# Altium PCB Weather_Station_ETH_HERMETIC.PcbDoc (part 2 of 5) (continued)
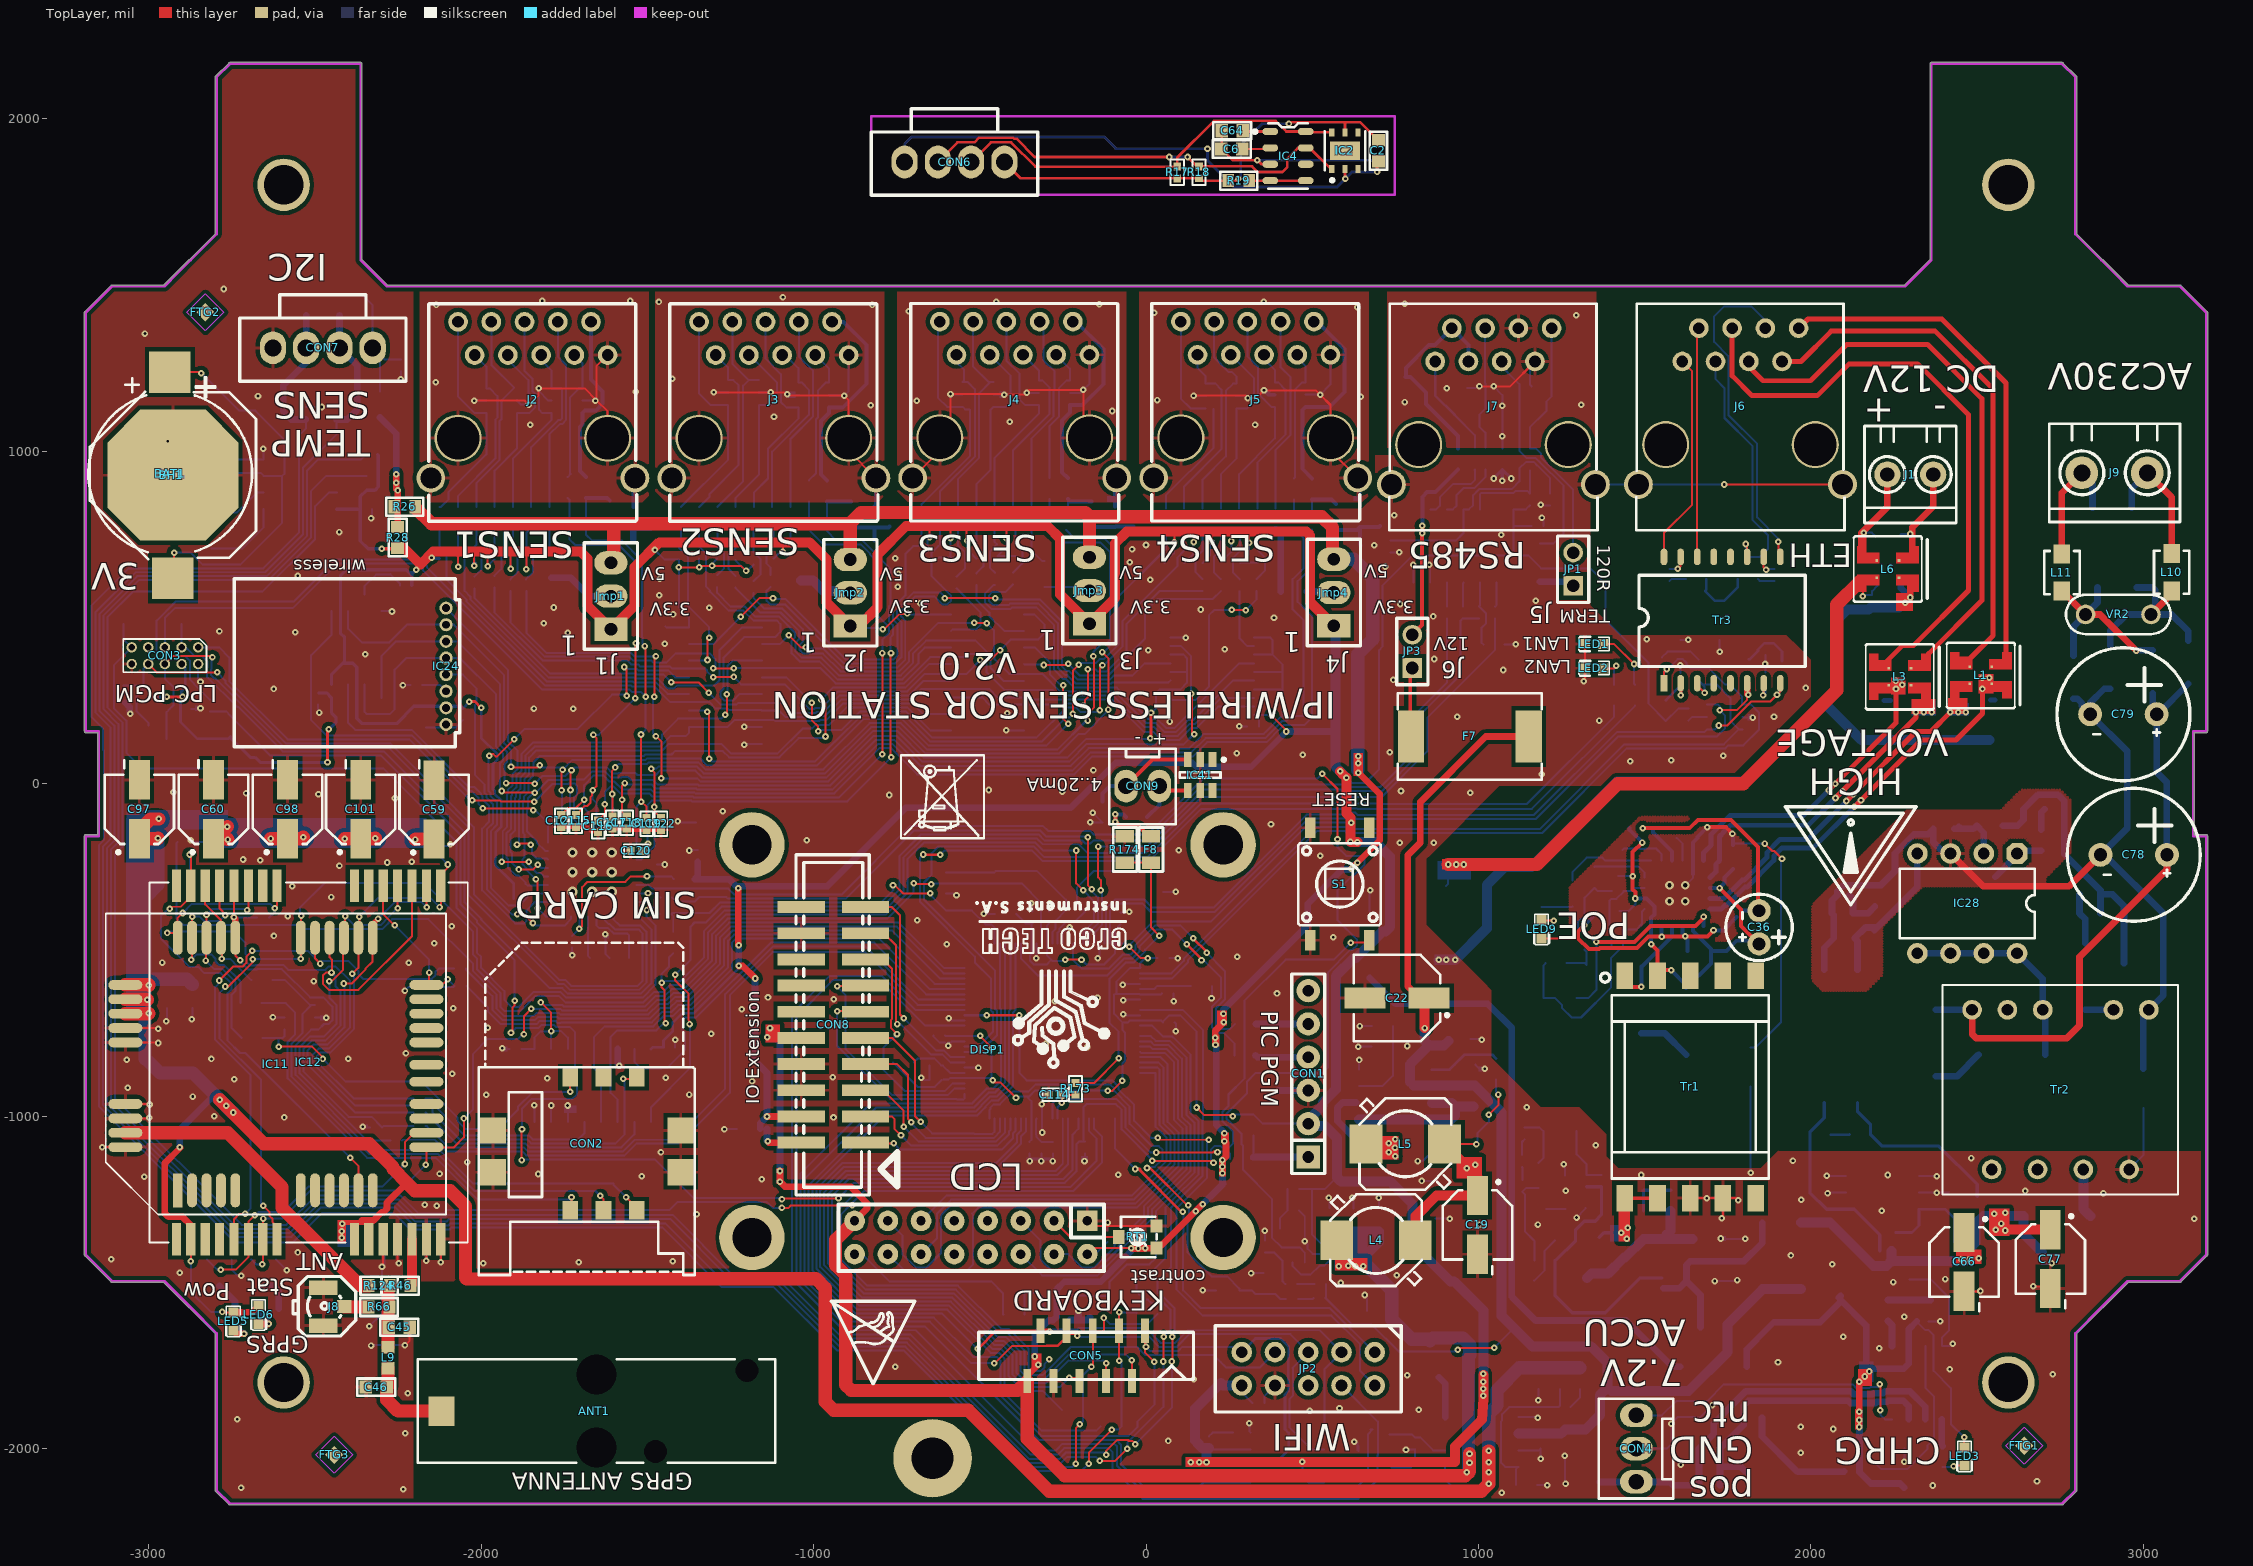
[diagram p0: TopLayer view]
## Nets (pads, with @x,y where several pads share a name; then routed paths per layer and width w, separated by ;. In a path a pad name is that pad's centre, name@x,y a point inside that pad or via, vN(x,y) a via of type N, cw(c..) or ccw(c..) an arc to the next point about the centre after c; other vN are vias at no path point) (continued)
  TopLayer w6: v1(-3139,-1094) -3138.31,-1093.31 IC11.40@-3070,-1093.31 ; IC11.38@-3070,-1006.69 -2999.69,-1006.69 v1(-2998,-1005) ; IC11.37@-3070,-963.39 -2998.86,-963.39 v1(-2997.24,-965) ; IC11.36@-3070,-778.35 -2972.65,-778.35 v1(-2971,-780) ; IC11.35@-3070,-735.04 -2972.96,-735.04 v1(-2971,-737) ; v1(-2298,-1453) -2294.49,-1449.49 IC12.26@-2294.49,-1370 ; IC12.27@-2251.18,-1370 -2251.18,-1439.82 v1(-2248,-1443) ; v1(-2229,-1689) -2215,-1675 C45.2@-2215,-1635 ; v1(-2165,-1435) -2164.57,-1434.57 IC12.29@-2164.57,-1370 ; IC12.30@-2121.26,-1370 -2121.26,-1439.74 v1(-2121,-1440) ; v1(-311.89,-1049.24) v1@-310.13,-1051 ; DISP1.1@-176.66,-1315.1 -161.69,-1330.07 RT1.3@24,-1330.07 ; v1(1317,308) 1320,311 LED2.K@1320,347 LED1.K@1320,420 ; Tr1.8@1636.82,-1246.65 v1(1687,-1246.65) Tr1.7@1735.24,-1246.65 ; v1(1732,-1307) 1735.24,-1303.76 Tr1.7@1735.24,-1246.65 ; v1(1739,900) J6.9a@2095,900 J6.9a@2093,902 ; v1(1781,-1253) 1774.65,-1246.65 Tr1.7@1735.24,-1246.65 ; C66.2@2461,-1527 2509,-1527 v1(2510,-1526) ; v1(2669,-1512) 2713.42,-1512 C77.2@2720,-1518.58
  TopLayer w12: C121.1@-1759,-129.72 C115.1@-1715,-129.72 -1682.2,-129.72 -1671.2,-140.72 -1648,-140.72 -1642,-134.72 C118.1@-1562,-134.72 -1558,-138.72 C119.1@-1502,-138.72 C122.1@-1459,-138.72
  TopLayer w20: v1(2299,560) 2299,594 2305,600
  BottomLayer w6: v1(-2947,-715) -2945,-713 C162.1@-2945,-675 ; v1(-2873,-170) -2868,-175 Q4.2@-2838,-175 ; C51.1@-2873.01,225 -2846,225 v1(-2844,227) ; v1(-2870,-709) -2868.23,-707.23 C164.1@-2868.23,-675 ; CON3.2@-2851,360 -2851,314 v1(-2844,307) ; Q8.2@-2750,-1431 -2750,-1462 -2732,-1480 v1(-2721,-1480) ; C18.2@-2735,878.5 -2754.89,898.39 -2754.89,950.93 -2749.62,956.2 -2747.92,956.2 C34.2@-2733.69,970.43 -2728.35,975.78 IC21.4@-2654.14,975.78 -2654.14,1006.14 v1(-2655,1007) ; v1(-2626,-702) -2625.4,-702.6 IC36.2@-2592,-702.6 ; Q3.2@-2617,-1431 -2585,-1463 -2585,-1464 v1(-2584,-1464) ; IC39.5@-2527.26,1133 v1(-2479,1133) IC39.2@-2434.74,1133 ; IC36.5@-2499.48,-702.6 -2467.4,-702.6 v1(-2466,-704) ; C53.2@-2490,238.28 -2490,217 v1(-2487,214) ; v1(-2356,-1032) -2354,-1034 R55.1@-2333.43,-1034 ; v1(-2336,-1632) -2298,-1594 v1(-2298,-1453) -2290,-1445 C163.1@-2290,-1340 ; v1(-2331,-1690) -2330,-1689 v1(-2229,-1689) ; v1(-2331,799) -2327.57,802.43 C17.2@-2327.57,826 ; IC16.4@-2300,519 -2269,519 v1(-2268,518) ; v1(-2242,1217) -2241,1218 C92.1@-2241,1240.79 ; v1(-2235,296) -2234.85,296.15 R163.1@-2212.72,296.15 ; v1(-2229,-623) -2217,-611 R56.1@-2155.72,-611 ; C83.2@-2165,169.65 -2076.5,169.65 C84.1@-2055,191.15 ; R57.1@-2120,-187.28 -2098.28,-187.28 v1(-2093,-182) ; v1(-1936,-796) -1934,-798 R154.1@-1914,-798 ; v1(-1840,-967) -1839,-968 IC40.8@-1839,-1018 ; IC40.7@-1789,-1018 v1(-1789,-968) ; v1(-1740,-968) -1739,-969 IC40.6@-1739,-1018 ; v1(-1726,-516) C41.2@-1726,-493.43 ; R175.2@-1629.36,769.33 R175.2@-1613,769.33 ; v1(-1626,-453) -1626,-511.94 CR2.2@-1613.94,-524 ; C49.2@-1471,-243.28 -1448.28,-243.28 v1(-1448,-243) ; C3.2@-1445,507.72 -1423.28,507.72 v1(-1422,509) ; C95.2@-1416,-793 v1(-1416,-770) ; v1(-1409,-113) -1405,-117 TP15.1@-1354,-117 ; v1(-1374,-201) -1372.57,-199.57 C107.2@-1348,-199.57 ; v1(-1268,-1039) -1267,-1038 C28.2@-1230.87,-1038 ; v1(-1209,171) -1208,170 IC6.7@-1155,170 ; v1(-1208,117) -1205,120 IC6.8@-1155,120 ; R176.2@-894.36,769.33 R176.2@-888,769.33 ; FB23.2@-824.33,769.33 FB23.2@-821.25,766.25 ; v1(-679,543) -678.09,542.09 C37.2@-656.26,542.09 ; v1(-676,-884) -669,-891 C10.2@-650.72,-891 -651.72,-890 C29.1@-651.72,-848 ; C8.1@-639.39,-757.6 -639.39,-759.31 -619.89,-778.81 -604.19,-778.81 v1(-595,-788) ; C39.1@-601,-330.5 -574.5,-330.5 v1(-570,-335) ; v1@-595,-778.81 -588.02,-778.81 -584.53,-775.32 IC1.36@-545.69,-775.32 ; v1(-593,-705) -585.67,-712.33 IC1.40@-545.69,-712.33 ; IC1.31@-545.69,-854.06 -504.06,-854.06 v1(-504,-854) ; v1(-488,-391) -487,-392 C27.2@-453.5,-392 ; v1(-420,161) -418.37,159.37 IC8.8@-366.26,159.37 ; v1(-417,212) -414.37,209.37 IC8.7@-366.26,209.37 ; C104.2@-351,-1112.72 -351,-1134 v1(-350,-1135) ; v1(-345,-360) -341.67,-363.33 C35.2@-341.67,-384.89 ; v1(-330,-525) -329.15,-524.15 IC1.60@-329.15,-480.04 ; v1(-315,-1135) C32.1@-315,-1112.72 ; v1(-314,-964) -313.4,-964.6 IC1.15@-313.4,-1007.6 -313.4,-1047.72 v1(-311.89,-1049.24) ; C102.2@-291.67,-384.89 -291.67,-361.67 v1(-290,-360) ; v1(-280,-1135) -279,-1134 C4.1@-279,-1112.72 ; IC1.65@-250.41,-480.04 -250.41,-449.6 -242.33,-441.52 -241.52,-441.52 -232.53,-432.53 v1(-230,-432.53) ; v1(-185,-1135) -184,-1134 C33.2@-184,-1112.43 ; R177.2@-180,775.87 -112.87,775.87 ; v1(-167.5,-116.5) FB47.2@-131,-116.5 v1(-160,-87.5) ; v1(-145,-525) -140.17,-520.17 IC1.72@-140.17,-480.04 ; C94.1@-116,-1343.28 -116,-1321 v1(-115,-1320) ; C38.2@-76.67,-387.6 -52.6,-387.6 v1(-50,-385) ; v1(-70,-605) -65,-600 -60,-600 -57.91,-602.09 IC1.79@-18.13,-602.09 ; v1(-69,-651) -67.33,-649.33 IC1.82@-18.13,-649.33 ; v1(-68,-694) -65.42,-696.58 IC1.85@-18.13,-696.58 ; C40.1@51,-326.5 88.5,-326.5 v1(90,-325) ; C103.2@70.43,-525 v1(95,-525) ; v1(71,187) 73,189 IC7.1@73,206 ; IC7.10@73,440 119,440 v1(120,439) ; C9.2@83.43,-631 83.43,-653.43 v1(84,-654) ; C11.2@86.43,-718 90,-721.57 v1(90,-745) ; v1(171,-1524) C16.2@210.13,-1524 ; C100.2@189,-1963.28 200.28,-1952 IC19.4@261,-1952 ; v1(197,-645) 198.99,-643.01 R39.2@198.99,-608 ; v1(281,173) 282,172 C1.2@304.28,172 ; v1(311,-1924) 311,-1948 IC20.4@315,-1952 ; v1(316,-1473) 316.99,-1472.01 R9.1@354,-1472.01 ; C99.2@355.72,-1863 355.72,-1842.28 JP2.8@388,-1810 ; v1(357,-1345) 358,-1346 R151.1@358,-1374.79 ; R165.1@460.72,-1284 477.5,-1300.78 IC22.5@477.5,-1338 v1(477.5,-1376.5) 486,-1385 486,-1399.02 500.98,-1414 C93.1@522,-1414 ; v1(550,-1245) 552,-1247 C20.2@552,-1276.57 ; R178.2@555,765 R178.2@596,765 ; v1(620,-1245) 624,-1249 C24.2@624,-1278.13 ; v1(626,-1979) 639,-1992 C31.1@639,-2006.57 ; v1(639,-791) 677.5,-791 C30.1@678.5,-790 ; U3.4@640,-860 640,-832 v1(641,-831) ; v1(643,-729) C111.1@679.5,-729 ; v1(658,-1538) 665,-1545 IC3.1@665,-1586 ; D9.A@673,-383.61 673,-322 v1(675,-320) ; v1(700,-1245) 701,-1246 C25.2@701,-1276.57 ; R15.2@735,695.79 761.79,695.79 v1(762,696) ; C63.2@738,-2057.01 796.5,-2057.01 C112.2@797,-2056.5 809,-2044.5 R59.1@809,-2001.72 807.72,-2003 v1(782,-2003) ; v1(804,658) 805,657 IC15.7@805,605 ; v1(817,-1135) 832.9,-1135 864.9,-1103 D8.A@875.39,-1103 ; v1(830,-1195) C12.2@861.57,-1195 ; v1(852,659) 855,656 IC15.6@855,605 ; C26.2@871.43,-1308 913,-1308 v1(914,-1309) ; C15.2@975.43,-768 1008,-768 v1(1010,-770) ; R27.2@990.98,-845 1002.98,-857 v1(1019,-857) ; R103.1@1078.5,418 1111,418 v1(1112,419) ; IC27.3@1120,-2005 1181.43,-2005 C181.1@1187,-1999.43 v1(1187,-2030) ; IC27.1@1120,-1905 1176,-1905 v1(1178,-1907) ; R63.1@1175.5,-2110 v1(1207,-2110) ; v1(1180,-1855) C62.2@1180,-1820 ; v1(1187,839) 1188.72,837.28 R38.1@1215,837.28 ; v1(1191,800) 1195.43,795.57 C42.1@1195.43,775 ; v1(1257,-1145) 1260,-1148 IC5.3@1260,-1178 ; v1(1260,-2021) 1261,-2022 C109.2@1261,-2061.06 1261,-2105 v1(1262,-2106) ; v1(1295,-1305) 1321.5,-1278.5 R155.1@1321.5,-1276 ; J7.9a@1336.89,899.92 1336.97,900 J6.9b@1481.22,900 v1(1739,900) ; CON4.2@1475,-2000 1566.89,-2000 C91.2@1580,-1986.89 v1(1580,-1925) 1600,-1905 1650.21,-1905 D18.A@1652.21,-1907 1665,-1907 v1(1703,-1869) ; v1(1607,356) 1608,355 C75.1@1608,332.31 ; C73.1@1608,432.43 1630.43,432.43 v1(1631,433) ; v1(1711,-1496) C7.2@1744.11,-1496 1775,-1496 v1(1778,-1493) ; C65.2@1725,431.89 1725,398 v1(1726,397) ; v1(1729,-1368) 1731,-1370 C5.2@1762.11,-1370 1801.82,-1370 v1(1802.82,-1369) ; IC37.2@1794.15,201 1796.15,199 v1(1825,199) ; v1(1819,-1170) C56.2@1819,-911.11 ; C76.1@1863,335.03 1863,359 v1(1862,360) 1863,361 C74.1@1863,387.31 ; v1(2048,-1179) 2049,-1180 IC30.3@2105,-1180 ; v1(2050,-1232) 2052,-1230 IC30.2@2105,-1230 ; v1(2281,-2039) C88.1@2281,-2000 ; C105.2@2297,-1491.01 C90.2@2360,-1491.01 2416,-1547.01 2416,-1644 2394,-1666 IC38.4@2394,-1692 2420,-1692 v1(2427,-1685) ; IC30.7@2325,-1230 v1(2378,-1230) 2413.5,-1230 R148.2@2415,-1228.5 ; IC30.6@2325,-1180 2378,-1180 v1(2379,-1181) ; C89.2@2353.72,-1617 v1(2389,-1617) ; C96.2@2695,-1445.43 2721.57,-1445.43 v1(2724,-1443) ; Tr2.10@2957.24,-1160.31 3000,-1117.56 C87.2@3000,-975.06
  BottomLayer w10: v1(1045.5,918) FB44.1@1072,944.5 ; v1(1072,911) FB44.1@1072,944.5 ; v1(1098.5,918) FB44.1@1072,944.5
  BottomLayer w12: R176.2@-888,770.63 -817.13,770.63 FB23.2@-817,770.5 ; -817,731 FB23.2@-817,770.5 ; -772,773 -774.5,770.5 FB23.2@-817,770.5 ; R177.2@-164,770.63 -163.13,771.5 FB33.2@-93,771.5 -90.5,774 -37,774 ; R178.2@572,762.63 634.13,762.63 FB43.2@643,771.5 ; 645,717 643,719 FB43.2@643,771.5 ; 704,775 700.5,771.5 FB43.2@643,771.5
  BottomLayer w20: C52.1@-3070,243.5 -3057.5,231 -3057,231 -3057,212 v1(-3055,210) ; R175.2@-1613,772.63 -1545.13,772.63 FB13.2@-1542,769.5 ; IC40.14@-1589,-798 -1589,-843 v1(-1584,-848) ; -1542,736 FB13.2@-1542,769.5 ; -1491.5,769.5 FB13.2@-1542,769.5 ; Q2.2@-229.5,-1613 -203,-1613 ; v1(-203,-1585) -203,-1613 ; R134.1@-168,-1604.5 -176.5,-1613 -203,-1613 ; TP5.1@398,-922.69 CON1.3@488,-922.69 ; C23.2@2270.43,595 2270.43,588.57 v1(2299,560) v1@2283.5,544.5
  BottomLayer w30: v1(880,-530) v1(903,-530) v1(930,-530) 1025,-435 1025,-305 1080,-250 1160.12,-250 1416.4,6.28 1801.28,6.28 2038.5,243.5 ; v1(2284,544) 2279,544 2265,530 2180,530 2174,524 2110,524 2078,492 2078,283 2038.5,243.5 ; C141.1@2537.63,131.43 C143.2@2439.57,131.43 C14.2@2239.57,131.43 2151.57,131.43 2039.5,243.5 2038.5,243.5
  other v1: 1070,-2133 -2234,-2122 -2722,-2118 2367,-2111 2680,-2098 1608,-2048 1970,-2013 67,-1977 -2228,-1954 2067,-1941 1970,-1934 -2734,-1912 493,-1886 820,-1883 582,-1879 -2221,-1834 143,-1792.08 786,-1779 2727,-1776 2418,-1761 -754,-1754 1901,-1740 2206,-1698 2097,-1664 2281,-1603 586,-1501 2248,-1499 2404,-1490 754,-1479 -2906,-1471 2064,-1445 -1994,-1443 -1706,-1439 -1423,-1437 -3113,-1430 1940,-1419 -2552,-1410 1003,-1326 1179,-1326 3153,-1309 -1352,-1295 2213,-1285 -2133,-1269 -2170,-1267 1971,-1252 2880,-1232 2645,-1225 1263,-1224 -1156,-1190 -3013,-1182 -1517,-1181 1490,-1177 2231,-1177 -84,-1176 -1828,-1174 -2125,-1173 -2042,-1138 1946,-1134 2482,-1126 -1459,-1109 1353,-1087 -2592,-1004 -940,-1004 -2803,-1000 1145,-972.76 -2867,-941 -1985,-936 -1374,-935 -3063,-915 -1185,-895 -2743,-889 -1801,-886 -1445,-884 -942,-883 -2087,-872 -3066,-830 -2811,-828 -2400,-827 -2226,-811 -177,-792 786,-789 -302,-783 -1308,-752 -1980,-734 -1216,-678 -2084,-676 -274,-654 -939,-648 -145.82,-643.93 -1137,-643 394,-631 -2503,-594 -2218,-539 -2959,-538 274,-520 -599,-483 -2141,-480 563,-462 -2623,-458 -2088,-429 -688,-411 -2581,-399 -2451,-341 -2568,-308 -2426,-247 -2282,-237 -2208,-235 -2664,-230 -2716,-228 524,-217 98,-200 763,-178 866,-178 -1021,-170 376,-122 -1273,-83 -2259,-44 -772,-34 -2489,-32 -2707,-29 975,-27 -2926,-26 -252,-24 767,-22 -473,-19 1190,28 -158,40 1457,68 1580,70 1736,84 472,87 273,91 733,95 1363,190 936,201 1889,201 -1723,225 -1841,226 -2624,285 1985,288 744,312 1075,342 867,375 -2348,389 7,401 237,404 -1447,421 1506,434 -1739.36,454.33 -2559,455 -2787,458 -1811,483 385,499 864,503 165,524 -1314,529 -1781,530 765,540 1172,550 -1464,567 -747,592 13,614 -1462,616 -2551,626 -745,631 719,653 -49,666 -754,678 -42,705 686,717 0,718 1069,749 -2427,757 747,808 -2943,1030 -2671,1166 -3011,1354 -2774,1488
  other v2: -1725.06,-325.06 -1666,-325.06 -1606.94,-325.06 -1725.06,-266 -1666,-266 -1606.94,-266 -1725.06,-206.94 -1666,-206.94 -1606.94,-206.94
GND_SENS1: FB13.1 IC9.2 IC9.5 IC10.2 IC10.5 J2.10 J2.11 J2.11a J2.12 J2.12a | length 1139.2
  TopLayer w6: J2.12@-2151.25,919.25 J2.12@-2151.25,957.44 ; J2.11@-2069.36,1039.33 J2.11@-2021.01,1087.69 ; v1(-2021.01,1152.01) -1868.01,1152.01 v1(-1856,1140) -1827,1169 v1(-1827,1189) -1688,1189 v1@-1653,1154 ; J2.11a@-1619.36,1001.14 J2.11a@-1619.36,1039.33 -1619.36,1120.36 v1@-1653,1154 ; J2.10@-1619.36,1289.33 -1653,1255.69 v1@-1653,1154
  BottomLayer w6: v1(-2021.01,1152.01) IC10.2@-1984.44,1152.01 ; IC10.5@-1891.92,1152.01 -1879.92,1140 -1866,1140 ; v1(-1827,1189) -1827,1181.59 -1797.42,1152.01 IC9.2@-1787.59,1152.01 ; v1(-1656.01,1152.01) IC9.5@-1695.07,1152.01 -1654.99,1152.01 v1@-1653,1154
  BottomLayer w12: FB13.1@-1542,832.5 -1542,914.72 J2.12a@-1537.47,919.25
  other v1: -1852,1080 -1534.36,1179 -2136,1208 -2135,1440 -1816,1452 -1551,1453
GND_SENS2: FB23.1 IC13.2 IC13.5 IC17.2 IC17.5 J3.10 J3.11 J3.11a J3.12 J3.12a | length 1173.2
  TopLayer w6: J3.12@-1426.25,919.25 J3.12@-1426.25,957.44 ; J3.11@-1344.36,1039.33 J3.11@-1300,1083.69 ; v1(-1300,1177) v1(-1129,1177) -1085,1177 v1(-1079,1171) -1075,1167 v1(-908,1167) -894.36,1153.36 J3.11a@-894.36,1039.33 -894.36,1001.14 J3.12a@-812.47,919.25
  BottomLayer w6: v1(-1300,1177) -1299.73,1176.73 IC17.2@-1256.88,1176.73 ; IC17.5@-1164.36,1176.73 -1129.27,1176.73 v1(-1129,1177) ; v1(-1079,1171) -1083,1171 -1081.33,1169.33 IC13.2@-1045.62,1169.33 ; IC13.5@-953.1,1169.33 -950.78,1167 v1(-908,1167) -894.36,1180.64 J3.10@-894.36,1289.33
  BottomLayer w12: FB23.1@-817,833.5 -812.47,838.02 J3.12a@-812.47,919.25 J3.12a@-817,914.72
  other v1: -1119,1104 -828,1138 -1425,1218 -823,1440 -1465,1449 -1092,1463
GND_SENS3: FB33.1 IC18.2 IC18.5 IC31.2 IC31.5 J4.10 J4.11 J4.11a J4.12 J4.12a | length 1259.3
  TopLayer w6: J4.12@-701.89,919.92 -588,1033.81 v1(-588,1172) -428,1172 v1(-426,1170) -365,1170 v1(-359,1176) -350.5,1184.5 v1(-188.5,1184.5) -188.5,1058.5 J4.11a@-170,1040 ; J4.12a@-88.11,919.92 J4.12a@-88.11,958.11
  BottomLayer w6: v1(-588,1172) -586.87,1170.87 IC31.2@-551.26,1170.87 ; IC31.5@-458.74,1170.87 -426.87,1170.87 v1(-426,1170) ; v1(-359,1176) -358.87,1175.87 IC18.2@-321.26,1175.87 ; IC18.5@-228.74,1175.87 -197.13,1175.87 v1(-188.5,1184.5) -170,1203 J4.10@-170,1290 ; J4.12a@-98.94,919.92 J4.12a@-88.11,919.92
  BottomLayer w12: FB33.1@-93,834.5 -93,915.03 J4.12a@-88.11,919.92
  other v1: -410,1089 -101,1121 -689,1152 -713,1421 -140,1442 -450,1449
GND_SENS4: FB43.1 IC32.2 IC32.5 IC33.2 IC33.5 J5.10 J5.11 J5.11a J5.12 J5.12a | length 1174.1
  TopLayer w6: J5.12@23.11,919.92 J5.12@23.11,958.11 ; J5.11@105,1040 J5.11@143,1078 ; v1(143,1167) 299,1167 v1(306,1160) 332,1160 v1(355,1183) 511,1183 v1(524,1170) 555,1139 J5.11a@555,1040 555,1001.81 J5.12a@636.89,919.92
  BottomLayer w6: v1(143,1167) 144,1166 IC33.2@179.48,1166 ; IC33.5@272,1166 v1@306,1166 ; IC32.5@480,1170 v1(524,1170) 555,1201 J5.10@555,1290 ; J5.12a@636.89,909.88 J5.12a@636.89,919.92
  BottomLayer w10: IC32.2@370,1178 360,1178 368,1170 IC32.2@387.48,1170 ; J5.12a@636.89,919.92 643,913.81 FB43.1@643,834.5
  other v1: 328,1080 34,1154 646,1164 24,1417 636,1433 354,1449
GNDS: C2.1 C6.1 C64.1 CON6.4 IC2.2 IC4.3 | length 2255.5
  TopLayer w8: C64.1@227.5,1964 227.5,1909.51 C6.1@226.99,1909 260.99,1875 v1(335,1875) 346.79,1863.21 IC4.3@374,1863.21 ; IC2.2@598.37,1848.76 598.37,1821.63 v1(600,1820) ; v1(695,1840) 695,1867.99 C2.1@699,1871.99
  BottomLayer w8: CON6.4@-726,1870 -726,1924 -705,1945 -125,1945 -90,1910 v1(185,1910) 185,1875 265,1795 575,1795 v1(600,1820) 620,1840 v1(695,1840) 695,1860 680,1875 v1(335,1875)
GPRS_RS485_SEL: IC1.61 IC40.9 IC40.10 IC40.11 R154.2 | length 2241.3
  TopLayer w6: v1(-1820,-658) -1789,-689 v1(-1789,-744) ; v1@-699,-302 v1(-646,-302)
  BottomLayer w6: R154.2@-1878.57,-798 IC40.9@-1839,-798 -1839,-763 -1821,-745 v1@-1789,-745 ; v1@-1814.84,-665.16 -1756.34,-665.16 -1751.5,-670 -1506.5,-670 -1474.66,-638.16 -1447.22,-638.16 -1426.9,-617.84 -1390.9,-617.84 -1304.84,-531.78 -1304.84,-517.88 -1305,-517.72 -1305,-452.28 -1258.72,-406 -1193.28,-406 -1193.12,-406.16 -1184.69,-406.16 -1184.37,-405.84 -777.96,-405.84 -699,-326.88 v1(-699,-300) ; IC40.10@-1789,-798 v1@-1789,-745 ; IC40.11@-1739,-798 -1739,-764 -1759,-744 -1779,-744 -1780,-745 v1@-1789,-745 ; v1(-646,-302) -644,-300 -374,-300 -316.2,-357.8 -316.2,-477.24 IC1.61@-313.4,-480.04
GSM_CTS: IC11.23 IC12.4 R50.2 | length 1190.7
  TopLayer w6: v1(-2457,-594) -2449.32,-594 -2415,-559.68 -2415,-465.87 IC11.23@-2412.52,-463.39 -2409,-459.87 v1(-2409,-399) ; v1(-2251.18,-375.18) IC12.4@-2251.18,-307.01
  BottomLayer w6: v1(-2457,-594) -2455.84,-595.16 -2455.84,-644.69 -2435.16,-665.37 -2435.16,-722.85 -2473.11,-760.81 -2514.72,-760.81 -2545.84,-791.93 -2545.84,-871.13 -2343.97,-1073 R50.2@-2272.72,-1073 ; v1(-2409,-399) -2383.16,-424.84 -2300.84,-424.84 -2291.16,-415.16 -2291.16,-413.54 -2252.8,-375.18 v1(-2251.18,-375.18)
GSM_DCD: IC11.25 IC12.20 R51.2 | length 1772
  TopLayer w6: v1(-2788,-592) -2745.84,-549.84 -2717.2,-549.84 -2706.16,-538.8 -2706.16,-520.16 v1(-2688,-502) ; IC12.20@-2743.31,-1370 -2743.31,-1310.31 -2727,-1294 v1(-2710,-1294) ; IC11.25@-2504,-468.25 IC11.25@-2499.13,-463.39 -2499.13,-525.87 v1(-2484,-541)
  BottomLayer w6: v1(-2788,-592) -2784,-596 -2800,-612 -2800,-770 -2693,-877 -2693,-1277 v1(-2710,-1294) ; v1(-2688,-502) -2687,-503 -2522,-503 v1(-2484,-541) -2477,-534 -2398.35,-534 -2368.16,-564.2 -2368.16,-573.87 -2355.19,-586.84 -2148.2,-586.84 -2137.16,-575.8 -2137.16,-566.13 -2127.03,-556 R51.2@-2081.43,-556
GSM_DTR: IC11.20 IC12.5 R54.2 R56.2 | length 500.7
  TopLayer w6: IC12.5@-2294.49,-307.01 -2294.49,-392.51 -2261,-426 v1(-2260,-426) ; v1(-2156,-568) -2156,-596.63 IC11.20@-2164.49,-605.12 -2117.09,-605.12 v1(-2100.28,-588.31)
  BottomLayer w6: v1(-2260,-426) -2156,-530 v1(-2156,-568) ; R56.2@-2120.28,-611 -2083,-611 R54.2@-2080,-608 -2080.6,-608 v1(-2100.28,-588.31)
GSM_POW: C58.2 C59.1 C60.1 C61.1 C62.1 C97.1 C98.1 C101.1 C162.2 C163.2 C164.2 IC11.32 IC11.33 IC11.34 IC12.17 IC12.24 IC12.25 L12.2 LED5.A LED6.A R60.2 | length 8945.6
  TopLayer w6: IC12.17@-2873.23,-1370 -2873.23,-1436.77 v1(-2873,-1437) ; v1(-2779,-1589) -2778,-1590 LED5.A@-2745,-1590
  TopLayer w20: v1(-2906,-1094) -2905,-1095 -2952,-1142 -2952,-1291 -2940,-1303 -2897.92,-1303 -2873.23,-1327.69 IC12.17@-2873.23,-1370 ; LED5.A@-2745,-1590 -2689,-1590 LED6.A@-2669,-1570 ; -2358,-1314 -2324.11,-1314 -2299.11,-1289 -2294,-1289 -2283,-1278 -2283,-1260 -2223.34,-1200.34
  TopLayer w40: IC11.34@-3070,-691.73 -3000.73,-691.73 v1(-3000,-691) ; IC11.33@-3070,-648.43 -3005.57,-648.43 v1(-3004,-650) ; IC11.32@-3070,-605.12 -2999.88,-605.12 v1(-2999,-606) ; v1(-2972,-164) -2973.58,-165.58 C97.1@-3028,-165.58 -3028,-140 -2994,-106 v1(-2969,-106) ; C60.1@-2805,-165.58 C60.1@-2799.58,-165.58 ; v1(-2786,-951) -2654,-1083 -2336,-1083 -2264.84,-1154.16 -2264.84,-1158.85 -2223.34,-1200.34 -2199.69,-1224 -2093,-1224 -2047,-1270 -2047,-1486 -2043,-1490 -1654,-1490 -1653.53,-1489.53 -992.47,-1489.53 -965,-1517 -965,-1859 -939.11,-1884.89 -534.11,-1884.89 -291,-2128 1009,-2128 v1(1031,-2106) v1(1031,-2007) ; v1(-2763,-129) C60.1@-2799.58,-165.58 ; v1(-2762,-168) -2764.42,-165.58 C60.1@-2799.58,-165.58 ; v1(-2633,-165) -2632.42,-165.58 C98.1@-2582,-165.58 -2539.58,-165.58 v1(-2535,-161) ; v1(-2410,-166) -2409.58,-165.58 C101.1@-2362,-165.58 -2319.58,-165.58 v1(-2318,-164) ; v1(-2198,-168) -2196.58,-166.58 C59.1@-2141,-166.58
  BottomLayer w6: v1(-2873,-1437) -2873,-1529 -2813,-1589 v1(-2779,-1589)
  BottomLayer w20: v1(-2906,-1094) -2906,-1040 -2801.5,-935.5
  BottomLayer w40: -2999,-588 -2884.36,-588 C164.2@-2868.23,-604.13 ; v1@-2745,-990 v1(-2745,-989) -2748,-989 v1(-2786,-951) -2801.5,-935.5 -2867,-870 -2966,-870 -3008,-828 -3011,-828 -3011,-343 -2972,-304 v1(-2972,-164) -2972,-157 -2932,-117 -2813,-117 v1(-2762,-168) v1@-2633,-168 ; v1@-2535,-168 v1@-2410,-168 ; v1@-2318,-168 v1(-2198,-168) ; v1(1031,-2106) v1(1031,-2071) v1(1031,-2041) v1(1031,-2007) 1031,-1895.29 1055.84,-1870.45 1055.84,-1824.16 1122.99,-1757.01 R60.2@1245,-1757.01 C61.1@1305,-1757.01
  other v1: -2419,-1366 -2419,-1346 -2418,-1324 -2766,-969
GSM_RI: IC11.26 IC12.23 R53.2 | length 1369.4
  TopLayer w6: v1(-2769,-610) -2760.38,-610 -2687,-536.62 v1(-2687,-528) ; v1(-2655,-1270) -2637,-1288 -2637,-1299.35 -2627,-1309.35 -2627,-1319 -2613.39,-1332.61 IC12.23@-2613.39,-1370 ; v1(-2542,-527) -2542,-463.83 IC11.26@-2542.44,-463.39 -2541,-461.94 v1(-2541,-397)
  BottomLayer w6: v1(-2769,-610) -2768,-611 -2787,-630 -2787,-765.09 -2662,-890.09 -2662,-1263 v1(-2655,-1270) ; v1(-2687,-528) -2543,-528 v1(-2542,-527) ; v1(-2541,-397) -2545,-393 -2545,-373.57 R53.2@-2469.43,-298
GSM_RTS: IC11.24 IC12.3 R52.2 R55.2 | length 1438.6
  TopLayer w6: IC11.24@-2455.83,-463.39 -2455.83,-522.17 -2449,-529 -2449,-567.03 v1(-2450,-568.03) -2467,-568.03 -2475.84,-576.87 -2475.84,-601.8 -2457.8,-619.84 -2368.84,-619.84 -2207.87,-458.87 IC12.3@-2207.87,-307.01
  BottomLayer w6: v1(-2450,-568.03) -2438,-580.03 -2438,-609.03 -2423.16,-623.87 -2423.16,-727.82 -2468.14,-772.81 -2509.75,-772.81 -2533.84,-796.9 -2533.84,-866.16 -2398.16,-1001.84 -2329.24,-1001.84 -2298,-1033.08 R55.2@-2298,-1034 -2294,-1030 R52.2@-2202.72,-1030
GSM_RXD: IC11.21 IC12.2 R49.2 | length 1185.1
  TopLayer w6: v1(-2413,-601) -2389.35,-601 -2348,-559.65 -2348,-557 -2325.91,-534.91 IC11.21@-2325.91,-463.39 ; IC12.2@-2164.57,-307.01 -2164.57,-370.43 v1(-2163,-372)
  TopLayer w15: IC11.21@-2325.91,-463.39 -2325.91,-421.91 v1(-2310,-406)
  BottomLayer w6: v1(-2413,-601) -2411.16,-602.84 -2411.16,-732.79 -2463.17,-784.81 -2504.78,-784.81 -2521.84,-801.87 -2521.84,-845.16 -2378,-989 R49.2@-2202.72,-989 ; v1(-2310,-406) -2260.34,-356.34 -2178.66,-356.34 v1(-2163,-372)
GSM_TXD: IC11.22 IC12.1 R48.2 R57.2 | length 1293.7
  TopLayer w6: v1(-2387,-572) -2369.21,-554.21 IC11.22@-2369.21,-463.39 -2366,-460.17 v1(-2366,-400) ; v1(-2125,-371) -2121.26,-367.26 IC12.1@-2121.26,-307.01 -2121.26,-273.26 -2100.32,-252.31 v1(-2100.32,-243)
  BottomLayer w6: v1(-2387,-572) -2388,-571 -2388,-572.38 -2382.16,-578.22 -2382.16,-737.74 -2453.23,-808.81 -2483.46,-808.81 -2494.84,-820.2 -2494.84,-835.8 -2383.65,-947 R48.2@-2202.72,-947 ; v1(-2366,-400) -2310.34,-344.34 -2151.66,-344.34 v1(-2125,-371) ; R57.2@-2120,-222.72 -2120,-223.31 v1(-2100.32,-243)
HGND: C67.2 C68.2 C70.2 C71.2 C72.2 C78.2 C79.2 C80.1 C81.1 C85.1 C87.1 D12.A D14.A IC28.3 IC29.3 Tr2.1 | length 2835.6
  TopLayer w20: IC28.3@2420,-210 2519,-309 2776,-309 C78.2@2871,-214
  BottomLayer w20: IC29.3@2040,-560 2040,-493.5 C72.2@2068.5,-465 2068.5,-395 C71.2@2063.5,-390 2063.5,-351.5 C70.2@2080,-335 2080,-323.4 2098.4,-305 2211,-305 2253,-263 2253,-209 2310,-152 2352.5,-152 C81.1@2368.5,-136 2368.5,-176.5 2402,-210 IC28.3@2420,-210 2490,-280 C80.1@2492.01,-280 ; D12.A@2790,255.87 2801.13,255.87 2815,242 2815,234 C79.2@2840,209 ; D14.A@2900,285.43 2882.43,285.43 2840,243 C79.2@2840,209 ; C87.1@3000,-856.94 3000,-696.3 Tr2.1@3016.3,-680 3060.06,-636.24 C68.2@3060.06,-540 C67.2@3060.06,-440 3060.06,-390.06 2884,-214 C78.2@2871,-214 2951.94,-133.06 C85.1@2951.94,-55 2951.94,97.06 C79.2@2840,209
HIBERNATE: IC1.42 JP2.4 | length 3840.2
  BottomLayer w6: IC1.42@-545.69,-680.83 -692.78,-680.83 -795.46,-578.16 -951.16,-578.16 -952.5,-579.5 -1064.84,-691.84 -1064.84,-1488.55 -896.39,-1657 -707.67,-1657 -346.67,-2018 -265.33,-2018 -246.01,-1998.69 -112.25,-1998.69 -100.16,-2010.78 -100.16,-2061.26 -10,-2151.42 638.97,-2151.42 696,-2094.38 696,-2020 697.22,-2018.78 697.22,-1919.22 JP2.4@588,-1810
INTN: IC1.6 JP2.7 R2.1 | length 2700.5
  BottomLayer w6: IC1.6@-171.67,-1007.6 -171.67,-1044.33 -149,-1067 -149,-1135 -227,-1213 -855,-1213 -928.66,-1286.66 -928.66,-1436.64 -843.3,-1522 -572.18,-1522 -442.02,-1652.16 -417.37,-1652.16 -365.84,-1703.69 -365.84,-1761.13 -347.97,-1779 -311.16,-1779 -227.16,-1695 -25.65,-1695 -1.8,-1718.84 203.83,-1718.84 R2.1@225,-1740.01 240.99,-1756 342,-1756 JP2.7@388,-1710
LCD_BACKLIGHT: IC1.89 Q2.1 R134.2 | length 1152.5
  BottomLayer w6: Q2.1@-229,-1540 -169.5,-1540 R134.2@-168,-1541.5 -121.5,-1541.5 -110,-1530 -110,-1498.87 -57.13,-1446 10,-1446 30.5,-1425.5 30.5,-1284.91 146.02,-1169.39 146.02,-1020.61 121.16,-995.75 121.16,-823.16 71.63,-773.63 28.82,-773.63 14.76,-759.57 IC1.89@-18.13,-759.57
LCD_D4: DISP1.11 IC1.96 | length 1138.9
  BottomLayer w6: DISP1.11@-676.66,-1315.1 -600.66,-1239.1 -42.48,-1239.1 62.02,-1134.6 62.02,-1065.37 28.81,-1032.16 28.81,-869.81 IC1.96@-18.13,-869.81
LCD_D5: DISP1.12 IC1.95 | length 1262.7
  BottomLayer w6: DISP1.12@-676.66,-1415.1 -628.66,-1367.1 -628.66,-1293.56 -586.2,-1251.1 -37.51,-1251.1 74.02,-1139.57 74.02,-1060.4 40.81,-1027.19 40.81,-859.78 35.09,-854.06 IC1.95@-18.13,-854.06
LCD_D6: DISP1.13 IC1.94 | length 1530
  BottomLayer w6: DISP1.13@-776.66,-1315.1 -732,-1359.76 -732,-1416.33 -693.23,-1455.1 -660.09,-1455.1 -616.66,-1411.67 -616.66,-1298.53 -581.23,-1263.1 -32.54,-1263.1 86.02,-1144.54 86.02,-1055.43 52.81,-1022.22 52.81,-854.81 36.31,-838.31 IC1.94@-18.13,-838.31
LCD_D7: DISP1.14 IC1.93 | length 1532.8
  BottomLayer w6: DISP1.14@-776.66,-1415.1 -724.66,-1467.1 -541.1,-1467.1 -520,-1446 -520,-1296 -523,-1293 -505.1,-1275.1 -27.57,-1275.1 98.02,-1149.51 98.02,-1050.46 64.81,-1017.25 64.81,-843.81 43.56,-822.56 IC1.93@-18.13,-822.56